# KiCad board demomatrix.kicad_pcb (continued)
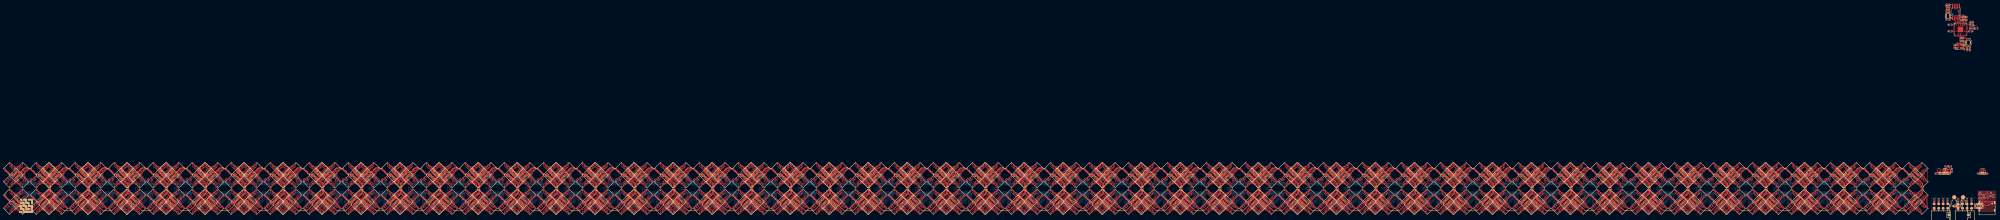
[diagram p0: board, top side]
## Library data of the parts (continued)
C317 = -: Datasheet: https://www.lcsc.com/datasheet/lcsc_datasheet_2304140030_Samsung-Electro-Mechanics-CL21A106KAYNNNE_C15850.pdf; LCSC: C15850; Manufacturer: Samsung Electro-Mechanics; Partnumber: CL21A106KAYNNNE; PARAM_capacitance: {"type": "Quantity_Interval_Disjoint", "data": {"intervals": {"type": "Numeric_Interval_Disjoint", "data": {"intervals": [{"type": "Numeric_Interval", "data": {"min": 8.999999985e-06, "max": 1.1000000015e-05}}]}}, "unit": "farad"}}; PARAM_max_voltage: {"type": "Quantity_Set_Discrete", "data": {"intervals": {"type": "Numeric_Interval_Disjoint", "data": {"intervals": [{"type": "Numeric_Interval", "data": {"min": 25.0, "max": 25.0}}]}}, "unit": "volt"}}; PARAM_temperature_coefficient: {"type": "EnumSet", "data": {"elements": [{"name": "X5R"}], "enum": {"name": "TemperatureCoefficient", "values": {"Y5V": 1, "Z5U": 2, "X7S": 3, "X5R": 4, "X6R": 5, "X7R": 6, "X8R": 7, "C0G": 8}}}}; atopile_address: clusters[35].decoupling_capacitors[1]; atopile_subaddresses: [elec/layout/cluster2x2/cluster2x2.kicad_pcb:decoupling_capacitors[1]]
C318 = -: Datasheet: https://www.lcsc.com/datasheet/lcsc_datasheet_2304140030_Samsung-Electro-Mechanics-CL21A106KAYNNNE_C15850.pdf; LCSC: C15850; Manufacturer: Samsung Electro-Mechanics; Partnumber: CL21A106KAYNNNE; PARAM_capacitance: {"type": "Quantity_Interval_Disjoint", "data": {"intervals": {"type": "Numeric_Interval_Disjoint", "data": {"intervals": [{"type": "Numeric_Interval", "data": {"min": 8.999999985e-06, "max": 1.1000000015e-05}}]}}, "unit": "farad"}}; PARAM_max_voltage: {"type": "Quantity_Set_Discrete", "data": {"intervals": {"type": "Numeric_Interval_Disjoint", "data": {"intervals": [{"type": "Numeric_Interval", "data": {"min": 25.0, "max": 25.0}}]}}, "unit": "volt"}}; PARAM_temperature_coefficient: {"type": "EnumSet", "data": {"elements": [{"name": "X5R"}], "enum": {"name": "TemperatureCoefficient", "values": {"Y5V": 1, "Z5U": 2, "X7S": 3, "X5R": 4, "X6R": 5, "X7R": 6, "X8R": 7, "C0G": 8}}}}; atopile_address: clusters[35].decoupling_capacitors[2]; atopile_subaddresses: [elec/layout/cluster2x2/cluster2x2.kicad_pcb:decoupling_capacitors[2]]
C319 = -: Datasheet: https://www.lcsc.com/datasheet/lcsc_datasheet_2304140030_Samsung-Electro-Mechanics-CL21A106KAYNNNE_C15850.pdf; LCSC: C15850; Manufacturer: Samsung Electro-Mechanics; Partnumber: CL21A106KAYNNNE; PARAM_capacitance: {"type": "Quantity_Interval_Disjoint", "data": {"intervals": {"type": "Numeric_Interval_Disjoint", "data": {"intervals": [{"type": "Numeric_Interval", "data": {"min": 8.999999985e-06, "max": 1.1000000015e-05}}]}}, "unit": "farad"}}; PARAM_max_voltage: {"type": "Quantity_Set_Discrete", "data": {"intervals": {"type": "Numeric_Interval_Disjoint", "data": {"intervals": [{"type": "Numeric_Interval", "data": {"min": 25.0, "max": 25.0}}]}}, "unit": "volt"}}; PARAM_temperature_coefficient: {"type": "EnumSet", "data": {"elements": [{"name": "X5R"}], "enum": {"name": "TemperatureCoefficient", "values": {"Y5V": 1, "Z5U": 2, "X7S": 3, "X5R": 4, "X6R": 5, "X7R": 6, "X8R": 7, "C0G": 8}}}}; atopile_address: clusters[35].decoupling_capacitors[3]; atopile_subaddresses: [elec/layout/cluster2x2/cluster2x2.kicad_pcb:decoupling_capacitors[3]]
C320 = -: Datasheet: https://www.lcsc.com/datasheet/lcsc_datasheet_2304140030_Samsung-Electro-Mechanics-CL21A106KAYNNNE_C15850.pdf; LCSC: C15850; Manufacturer: Samsung Electro-Mechanics; Partnumber: CL21A106KAYNNNE; PARAM_capacitance: {"type": "Quantity_Interval_Disjoint", "data": {"intervals": {"type": "Numeric_Interval_Disjoint", "data": {"intervals": [{"type": "Numeric_Interval", "data": {"min": 8.999999985e-06, "max": 1.1000000015e-05}}]}}, "unit": "farad"}}; PARAM_max_voltage: {"type": "Quantity_Set_Discrete", "data": {"intervals": {"type": "Numeric_Interval_Disjoint", "data": {"intervals": [{"type": "Numeric_Interval", "data": {"min": 25.0, "max": 25.0}}]}}, "unit": "volt"}}; PARAM_temperature_coefficient: {"type": "EnumSet", "data": {"elements": [{"name": "X5R"}], "enum": {"name": "TemperatureCoefficient", "values": {"Y5V": 1, "Z5U": 2, "X7S": 3, "X5R": 4, "X6R": 5, "X7R": 6, "X8R": 7, "C0G": 8}}}}; atopile_address: clusters[35].decoupling_capacitors[4]; atopile_subaddresses: [elec/layout/cluster2x2/cluster2x2.kicad_pcb:decoupling_capacitors[4]]
C321 = -: Datasheet: https://www.lcsc.com/datasheet/lcsc_datasheet_2304140030_Samsung-Electro-Mechanics-CL21A106KAYNNNE_C15850.pdf; LCSC: C15850; Manufacturer: Samsung Electro-Mechanics; Partnumber: CL21A106KAYNNNE; PARAM_capacitance: {"type": "Quantity_Interval_Disjoint", "data": {"intervals": {"type": "Numeric_Interval_Disjoint", "data": {"intervals": [{"type": "Numeric_Interval", "data": {"min": 8.999999985e-06, "max": 1.1000000015e-05}}]}}, "unit": "farad"}}; PARAM_max_voltage: {"type": "Quantity_Set_Discrete", "data": {"intervals": {"type": "Numeric_Interval_Disjoint", "data": {"intervals": [{"type": "Numeric_Interval", "data": {"min": 25.0, "max": 25.0}}]}}, "unit": "volt"}}; PARAM_temperature_coefficient: {"type": "EnumSet", "data": {"elements": [{"name": "X5R"}], "enum": {"name": "TemperatureCoefficient", "values": {"Y5V": 1, "Z5U": 2, "X7S": 3, "X5R": 4, "X6R": 5, "X7R": 6, "X8R": 7, "C0G": 8}}}}; atopile_address: clusters[35].decoupling_capacitors[5]; atopile_subaddresses: [elec/layout/cluster2x2/cluster2x2.kicad_pcb:decoupling_capacitors[5]]
C322 = -: Datasheet: https://www.lcsc.com/datasheet/lcsc_datasheet_2304140030_Samsung-Electro-Mechanics-CL21A106KAYNNNE_C15850.pdf; LCSC: C15850; Manufacturer: Samsung Electro-Mechanics; Partnumber: CL21A106KAYNNNE; PARAM_capacitance: {"type": "Quantity_Interval_Disjoint", "data": {"intervals": {"type": "Numeric_Interval_Disjoint", "data": {"intervals": [{"type": "Numeric_Interval", "data": {"min": 8.999999985e-06, "max": 1.1000000015e-05}}]}}, "unit": "farad"}}; PARAM_max_voltage: {"type": "Quantity_Set_Discrete", "data": {"intervals": {"type": "Numeric_Interval_Disjoint", "data": {"intervals": [{"type": "Numeric_Interval", "data": {"min": 25.0, "max": 25.0}}]}}, "unit": "volt"}}; PARAM_temperature_coefficient: {"type": "EnumSet", "data": {"elements": [{"name": "X5R"}], "enum": {"name": "TemperatureCoefficient", "values": {"Y5V": 1, "Z5U": 2, "X7S": 3, "X5R": 4, "X6R": 5, "X7R": 6, "X8R": 7, "C0G": 8}}}}; atopile_address: clusters[35].decoupling_capacitors[6]; atopile_subaddresses: [elec/layout/cluster2x2/cluster2x2.kicad_pcb:decoupling_capacitors[6]]
C323 = -: Datasheet: https://www.lcsc.com/datasheet/lcsc_datasheet_2304140030_Samsung-Electro-Mechanics-CL21A106KAYNNNE_C15850.pdf; LCSC: C15850; Manufacturer: Samsung Electro-Mechanics; Partnumber: CL21A106KAYNNNE; PARAM_capacitance: {"type": "Quantity_Interval_Disjoint", "data": {"intervals": {"type": "Numeric_Interval_Disjoint", "data": {"intervals": [{"type": "Numeric_Interval", "data": {"min": 8.999999985e-06, "max": 1.1000000015e-05}}]}}, "unit": "farad"}}; PARAM_max_voltage: {"type": "Quantity_Set_Discrete", "data": {"intervals": {"type": "Numeric_Interval_Disjoint", "data": {"intervals": [{"type": "Numeric_Interval", "data": {"min": 25.0, "max": 25.0}}]}}, "unit": "volt"}}; PARAM_temperature_coefficient: {"type": "EnumSet", "data": {"elements": [{"name": "X5R"}], "enum": {"name": "TemperatureCoefficient", "values": {"Y5V": 1, "Z5U": 2, "X7S": 3, "X5R": 4, "X6R": 5, "X7R": 6, "X8R": 7, "C0G": 8}}}}; atopile_address: clusters[35].decoupling_capacitors[7]; atopile_subaddresses: [elec/layout/cluster2x2/cluster2x2.kicad_pcb:decoupling_capacitors[7]]
C324 = -: Datasheet: https://www.lcsc.com/datasheet/lcsc_datasheet_2304140030_Samsung-Electro-Mechanics-CL05B104KO5NNNC_C1525.pdf; LCSC: C1525; Manufacturer: Samsung Electro-Mechanics; Partnumber: CL05B104KO5NNNC; PARAM_capacitance: {"type": "Quantity_Interval_Disjoint", "data": {"intervals": {"type": "Numeric_Interval_Disjoint", "data": {"intervals": [{"type": "Numeric_Interval", "data": {"min": 9e-08, "max": 1.1e-07}}]}}, "unit": "farad"}}; PARAM_max_voltage: {"type": "Quantity_Set_Discrete", "data": {"intervals": {"type": "Numeric_Interval_Disjoint", "data": {"intervals": [{"type": "Numeric_Interval", "data": {"min": 16.0, "max": 16.0}}]}}, "unit": "volt"}}; PARAM_temperature_coefficient: {"type": "EnumSet", "data": {"elements": [{"name": "X7R"}], "enum": {"name": "TemperatureCoefficient", "values": {"Y5V": 1, "Z5U": 2, "X7S": 3, "X5R": 4, "X6R": 5, "X7R": 6, "X8R": 7, "C0G": 8}}}}; atopile_address: clusters[35].driver.bypass_capacitor; atopile_subaddresses: [elec/layout/cluster2x2/cluster2x2.kicad_pcb:driver.bypass_capacitor, elec/src/macroblock-mbi5043/layouts/default/default.kicad_pcb:bypass_capacitor]
C325 = -: Datasheet: https://www.lcsc.com/datasheet/lcsc_datasheet_2304140030_Samsung-Electro-Mechanics-CL21A106KAYNNNE_C15850.pdf; LCSC: C15850; Manufacturer: Samsung Electro-Mechanics; Partnumber: CL21A106KAYNNNE; PARAM_capacitance: {"type": "Quantity_Interval_Disjoint", "data": {"intervals": {"type": "Numeric_Interval_Disjoint", "data": {"intervals": [{"type": "Numeric_Interval", "data": {"min": 8.999999985e-06, "max": 1.1000000015e-05}}]}}, "unit": "farad"}}; PARAM_max_voltage: {"type": "Quantity_Set_Discrete", "data": {"intervals": {"type": "Numeric_Interval_Disjoint", "data": {"intervals": [{"type": "Numeric_Interval", "data": {"min": 25.0, "max": 25.0}}]}}, "unit": "volt"}}; PARAM_temperature_coefficient: {"type": "EnumSet", "data": {"elements": [{"name": "X5R"}], "enum": {"name": "TemperatureCoefficient", "values": {"Y5V": 1, "Z5U": 2, "X7S": 3, "X5R": 4, "X6R": 5, "X7R": 6, "X8R": 7, "C0G": 8}}}}; atopile_address: clusters[36].decoupling_capacitors[0]; atopile_subaddresses: [elec/layout/cluster2x2/cluster2x2.kicad_pcb:decoupling_capacitors[0]]
C326 = -: Datasheet: https://www.lcsc.com/datasheet/lcsc_datasheet_2304140030_Samsung-Electro-Mechanics-CL21A106KAYNNNE_C15850.pdf; LCSC: C15850; Manufacturer: Samsung Electro-Mechanics; Partnumber: CL21A106KAYNNNE; PARAM_capacitance: {"type": "Quantity_Interval_Disjoint", "data": {"intervals": {"type": "Numeric_Interval_Disjoint", "data": {"intervals": [{"type": "Numeric_Interval", "data": {"min": 8.999999985e-06, "max": 1.1000000015e-05}}]}}, "unit": "farad"}}; PARAM_max_voltage: {"type": "Quantity_Set_Discrete", "data": {"intervals": {"type": "Numeric_Interval_Disjoint", "data": {"intervals": [{"type": "Numeric_Interval", "data": {"min": 25.0, "max": 25.0}}]}}, "unit": "volt"}}; PARAM_temperature_coefficient: {"type": "EnumSet", "data": {"elements": [{"name": "X5R"}], "enum": {"name": "TemperatureCoefficient", "values": {"Y5V": 1, "Z5U": 2, "X7S": 3, "X5R": 4, "X6R": 5, "X7R": 6, "X8R": 7, "C0G": 8}}}}; atopile_address: clusters[36].decoupling_capacitors[1]; atopile_subaddresses: [elec/layout/cluster2x2/cluster2x2.kicad_pcb:decoupling_capacitors[1]]
C327 = -: Datasheet: https://www.lcsc.com/datasheet/lcsc_datasheet_2304140030_Samsung-Electro-Mechanics-CL21A106KAYNNNE_C15850.pdf; LCSC: C15850; Manufacturer: Samsung Electro-Mechanics; Partnumber: CL21A106KAYNNNE; PARAM_capacitance: {"type": "Quantity_Interval_Disjoint", "data": {"intervals": {"type": "Numeric_Interval_Disjoint", "data": {"intervals": [{"type": "Numeric_Interval", "data": {"min": 8.999999985e-06, "max": 1.1000000015e-05}}]}}, "unit": "farad"}}; PARAM_max_voltage: {"type": "Quantity_Set_Discrete", "data": {"intervals": {"type": "Numeric_Interval_Disjoint", "data": {"intervals": [{"type": "Numeric_Interval", "data": {"min": 25.0, "max": 25.0}}]}}, "unit": "volt"}}; PARAM_temperature_coefficient: {"type": "EnumSet", "data": {"elements": [{"name": "X5R"}], "enum": {"name": "TemperatureCoefficient", "values": {"Y5V": 1, "Z5U": 2, "X7S": 3, "X5R": 4, "X6R": 5, "X7R": 6, "X8R": 7, "C0G": 8}}}}; atopile_address: clusters[36].decoupling_capacitors[2]; atopile_subaddresses: [elec/layout/cluster2x2/cluster2x2.kicad_pcb:decoupling_capacitors[2]]
C328 = -: Datasheet: https://www.lcsc.com/datasheet/lcsc_datasheet_2304140030_Samsung-Electro-Mechanics-CL21A106KAYNNNE_C15850.pdf; LCSC: C15850; Manufacturer: Samsung Electro-Mechanics; Partnumber: CL21A106KAYNNNE; PARAM_capacitance: {"type": "Quantity_Interval_Disjoint", "data": {"intervals": {"type": "Numeric_Interval_Disjoint", "data": {"intervals": [{"type": "Numeric_Interval", "data": {"min": 8.999999985e-06, "max": 1.1000000015e-05}}]}}, "unit": "farad"}}; PARAM_max_voltage: {"type": "Quantity_Set_Discrete", "data": {"intervals": {"type": "Numeric_Interval_Disjoint", "data": {"intervals": [{"type": "Numeric_Interval", "data": {"min": 25.0, "max": 25.0}}]}}, "unit": "volt"}}; PARAM_temperature_coefficient: {"type": "EnumSet", "data": {"elements": [{"name": "X5R"}], "enum": {"name": "TemperatureCoefficient", "values": {"Y5V": 1, "Z5U": 2, "X7S": 3, "X5R": 4, "X6R": 5, "X7R": 6, "X8R": 7, "C0G": 8}}}}; atopile_address: clusters[36].decoupling_capacitors[3]; atopile_subaddresses: [elec/layout/cluster2x2/cluster2x2.kicad_pcb:decoupling_capacitors[3]]
C329 = -: Datasheet: https://www.lcsc.com/datasheet/lcsc_datasheet_2304140030_Samsung-Electro-Mechanics-CL21A106KAYNNNE_C15850.pdf; LCSC: C15850; Manufacturer: Samsung Electro-Mechanics; Partnumber: CL21A106KAYNNNE; PARAM_capacitance: {"type": "Quantity_Interval_Disjoint", "data": {"intervals": {"type": "Numeric_Interval_Disjoint", "data": {"intervals": [{"type": "Numeric_Interval", "data": {"min": 8.999999985e-06, "max": 1.1000000015e-05}}]}}, "unit": "farad"}}; PARAM_max_voltage: {"type": "Quantity_Set_Discrete", "data": {"intervals": {"type": "Numeric_Interval_Disjoint", "data": {"intervals": [{"type": "Numeric_Interval", "data": {"min": 25.0, "max": 25.0}}]}}, "unit": "volt"}}; PARAM_temperature_coefficient: {"type": "EnumSet", "data": {"elements": [{"name": "X5R"}], "enum": {"name": "TemperatureCoefficient", "values": {"Y5V": 1, "Z5U": 2, "X7S": 3, "X5R": 4, "X6R": 5, "X7R": 6, "X8R": 7, "C0G": 8}}}}; atopile_address: clusters[36].decoupling_capacitors[4]; atopile_subaddresses: [elec/layout/cluster2x2/cluster2x2.kicad_pcb:decoupling_capacitors[4]]
C330 = -: Datasheet: https://www.lcsc.com/datasheet/lcsc_datasheet_2304140030_Samsung-Electro-Mechanics-CL21A106KAYNNNE_C15850.pdf; LCSC: C15850; Manufacturer: Samsung Electro-Mechanics; Partnumber: CL21A106KAYNNNE; PARAM_capacitance: {"type": "Quantity_Interval_Disjoint", "data": {"intervals": {"type": "Numeric_Interval_Disjoint", "data": {"intervals": [{"type": "Numeric_Interval", "data": {"min": 8.999999985e-06, "max": 1.1000000015e-05}}]}}, "unit": "farad"}}; PARAM_max_voltage: {"type": "Quantity_Set_Discrete", "data": {"intervals": {"type": "Numeric_Interval_Disjoint", "data": {"intervals": [{"type": "Numeric_Interval", "data": {"min": 25.0, "max": 25.0}}]}}, "unit": "volt"}}; PARAM_temperature_coefficient: {"type": "EnumSet", "data": {"elements": [{"name": "X5R"}], "enum": {"name": "TemperatureCoefficient", "values": {"Y5V": 1, "Z5U": 2, "X7S": 3, "X5R": 4, "X6R": 5, "X7R": 6, "X8R": 7, "C0G": 8}}}}; atopile_address: clusters[36].decoupling_capacitors[5]; atopile_subaddresses: [elec/layout/cluster2x2/cluster2x2.kicad_pcb:decoupling_capacitors[5]]
C331 = -: Datasheet: https://www.lcsc.com/datasheet/lcsc_datasheet_2304140030_Samsung-Electro-Mechanics-CL21A106KAYNNNE_C15850.pdf; LCSC: C15850; Manufacturer: Samsung Electro-Mechanics; Partnumber: CL21A106KAYNNNE; PARAM_capacitance: {"type": "Quantity_Interval_Disjoint", "data": {"intervals": {"type": "Numeric_Interval_Disjoint", "data": {"intervals": [{"type": "Numeric_Interval", "data": {"min": 8.999999985e-06, "max": 1.1000000015e-05}}]}}, "unit": "farad"}}; PARAM_max_voltage: {"type": "Quantity_Set_Discrete", "data": {"intervals": {"type": "Numeric_Interval_Disjoint", "data": {"intervals": [{"type": "Numeric_Interval", "data": {"min": 25.0, "max": 25.0}}]}}, "unit": "volt"}}; PARAM_temperature_coefficient: {"type": "EnumSet", "data": {"elements": [{"name": "X5R"}], "enum": {"name": "TemperatureCoefficient", "values": {"Y5V": 1, "Z5U": 2, "X7S": 3, "X5R": 4, "X6R": 5, "X7R": 6, "X8R": 7, "C0G": 8}}}}; atopile_address: clusters[36].decoupling_capacitors[6]; atopile_subaddresses: [elec/layout/cluster2x2/cluster2x2.kicad_pcb:decoupling_capacitors[6]]
C332 = -: Datasheet: https://www.lcsc.com/datasheet/lcsc_datasheet_2304140030_Samsung-Electro-Mechanics-CL21A106KAYNNNE_C15850.pdf; LCSC: C15850; Manufacturer: Samsung Electro-Mechanics; Partnumber: CL21A106KAYNNNE; PARAM_capacitance: {"type": "Quantity_Interval_Disjoint", "data": {"intervals": {"type": "Numeric_Interval_Disjoint", "data": {"intervals": [{"type": "Numeric_Interval", "data": {"min": 8.999999985e-06, "max": 1.1000000015e-05}}]}}, "unit": "farad"}}; PARAM_max_voltage: {"type": "Quantity_Set_Discrete", "data": {"intervals": {"type": "Numeric_Interval_Disjoint", "data": {"intervals": [{"type": "Numeric_Interval", "data": {"min": 25.0, "max": 25.0}}]}}, "unit": "volt"}}; PARAM_temperature_coefficient: {"type": "EnumSet", "data": {"elements": [{"name": "X5R"}], "enum": {"name": "TemperatureCoefficient", "values": {"Y5V": 1, "Z5U": 2, "X7S": 3, "X5R": 4, "X6R": 5, "X7R": 6, "X8R": 7, "C0G": 8}}}}; atopile_address: clusters[36].decoupling_capacitors[7]; atopile_subaddresses: [elec/layout/cluster2x2/cluster2x2.kicad_pcb:decoupling_capacitors[7]]
C333 = -: Datasheet: https://www.lcsc.com/datasheet/lcsc_datasheet_2304140030_Samsung-Electro-Mechanics-CL05B104KO5NNNC_C1525.pdf; LCSC: C1525; Manufacturer: Samsung Electro-Mechanics; Partnumber: CL05B104KO5NNNC; PARAM_capacitance: {"type": "Quantity_Interval_Disjoint", "data": {"intervals": {"type": "Numeric_Interval_Disjoint", "data": {"intervals": [{"type": "Numeric_Interval", "data": {"min": 9e-08, "max": 1.1e-07}}]}}, "unit": "farad"}}; PARAM_max_voltage: {"type": "Quantity_Set_Discrete", "data": {"intervals": {"type": "Numeric_Interval_Disjoint", "data": {"intervals": [{"type": "Numeric_Interval", "data": {"min": 16.0, "max": 16.0}}]}}, "unit": "volt"}}; PARAM_temperature_coefficient: {"type": "EnumSet", "data": {"elements": [{"name": "X7R"}], "enum": {"name": "TemperatureCoefficient", "values": {"Y5V": 1, "Z5U": 2, "X7S": 3, "X5R": 4, "X6R": 5, "X7R": 6, "X8R": 7, "C0G": 8}}}}; atopile_address: clusters[36].driver.bypass_capacitor; atopile_subaddresses: [elec/layout/cluster2x2/cluster2x2.kicad_pcb:driver.bypass_capacitor, elec/src/macroblock-mbi5043/layouts/default/default.kicad_pcb:bypass_capacitor]
C334 = -: Datasheet: https://www.lcsc.com/datasheet/lcsc_datasheet_2304140030_Samsung-Electro-Mechanics-CL21A106KAYNNNE_C15850.pdf; LCSC: C15850; Manufacturer: Samsung Electro-Mechanics; Partnumber: CL21A106KAYNNNE; PARAM_capacitance: {"type": "Quantity_Interval_Disjoint", "data": {"intervals": {"type": "Numeric_Interval_Disjoint", "data": {"intervals": [{"type": "Numeric_Interval", "data": {"min": 8.999999985e-06, "max": 1.1000000015e-05}}]}}, "unit": "farad"}}; PARAM_max_voltage: {"type": "Quantity_Set_Discrete", "data": {"intervals": {"type": "Numeric_Interval_Disjoint", "data": {"intervals": [{"type": "Numeric_Interval", "data": {"min": 25.0, "max": 25.0}}]}}, "unit": "volt"}}; PARAM_temperature_coefficient: {"type": "EnumSet", "data": {"elements": [{"name": "X5R"}], "enum": {"name": "TemperatureCoefficient", "values": {"Y5V": 1, "Z5U": 2, "X7S": 3, "X5R": 4, "X6R": 5, "X7R": 6, "X8R": 7, "C0G": 8}}}}; atopile_address: clusters[37].decoupling_capacitors[0]; atopile_subaddresses: [elec/layout/cluster2x2/cluster2x2.kicad_pcb:decoupling_capacitors[0]]
C335 = -: Datasheet: https://www.lcsc.com/datasheet/lcsc_datasheet_2304140030_Samsung-Electro-Mechanics-CL21A106KAYNNNE_C15850.pdf; LCSC: C15850; Manufacturer: Samsung Electro-Mechanics; Partnumber: CL21A106KAYNNNE; PARAM_capacitance: {"type": "Quantity_Interval_Disjoint", "data": {"intervals": {"type": "Numeric_Interval_Disjoint", "data": {"intervals": [{"type": "Numeric_Interval", "data": {"min": 8.999999985e-06, "max": 1.1000000015e-05}}]}}, "unit": "farad"}}; PARAM_max_voltage: {"type": "Quantity_Set_Discrete", "data": {"intervals": {"type": "Numeric_Interval_Disjoint", "data": {"intervals": [{"type": "Numeric_Interval", "data": {"min": 25.0, "max": 25.0}}]}}, "unit": "volt"}}; PARAM_temperature_coefficient: {"type": "EnumSet", "data": {"elements": [{"name": "X5R"}], "enum": {"name": "TemperatureCoefficient", "values": {"Y5V": 1, "Z5U": 2, "X7S": 3, "X5R": 4, "X6R": 5, "X7R": 6, "X8R": 7, "C0G": 8}}}}; atopile_address: clusters[37].decoupling_capacitors[1]; atopile_subaddresses: [elec/layout/cluster2x2/cluster2x2.kicad_pcb:decoupling_capacitors[1]]
C336 = -: Datasheet: https://www.lcsc.com/datasheet/lcsc_datasheet_2304140030_Samsung-Electro-Mechanics-CL21A106KAYNNNE_C15850.pdf; LCSC: C15850; Manufacturer: Samsung Electro-Mechanics; Partnumber: CL21A106KAYNNNE; PARAM_capacitance: {"type": "Quantity_Interval_Disjoint", "data": {"intervals": {"type": "Numeric_Interval_Disjoint", "data": {"intervals": [{"type": "Numeric_Interval", "data": {"min": 8.999999985e-06, "max": 1.1000000015e-05}}]}}, "unit": "farad"}}; PARAM_max_voltage: {"type": "Quantity_Set_Discrete", "data": {"intervals": {"type": "Numeric_Interval_Disjoint", "data": {"intervals": [{"type": "Numeric_Interval", "data": {"min": 25.0, "max": 25.0}}]}}, "unit": "volt"}}; PARAM_temperature_coefficient: {"type": "EnumSet", "data": {"elements": [{"name": "X5R"}], "enum": {"name": "TemperatureCoefficient", "values": {"Y5V": 1, "Z5U": 2, "X7S": 3, "X5R": 4, "X6R": 5, "X7R": 6, "X8R": 7, "C0G": 8}}}}; atopile_address: clusters[37].decoupling_capacitors[2]; atopile_subaddresses: [elec/layout/cluster2x2/cluster2x2.kicad_pcb:decoupling_capacitors[2]]
C337 = -: Datasheet: https://www.lcsc.com/datasheet/lcsc_datasheet_2304140030_Samsung-Electro-Mechanics-CL21A106KAYNNNE_C15850.pdf; LCSC: C15850; Manufacturer: Samsung Electro-Mechanics; Partnumber: CL21A106KAYNNNE; PARAM_capacitance: {"type": "Quantity_Interval_Disjoint", "data": {"intervals": {"type": "Numeric_Interval_Disjoint", "data": {"intervals": [{"type": "Numeric_Interval", "data": {"min": 8.999999985e-06, "max": 1.1000000015e-05}}]}}, "unit": "farad"}}; PARAM_max_voltage: {"type": "Quantity_Set_Discrete", "data": {"intervals": {"type": "Numeric_Interval_Disjoint", "data": {"intervals": [{"type": "Numeric_Interval", "data": {"min": 25.0, "max": 25.0}}]}}, "unit": "volt"}}; PARAM_temperature_coefficient: {"type": "EnumSet", "data": {"elements": [{"name": "X5R"}], "enum": {"name": "TemperatureCoefficient", "values": {"Y5V": 1, "Z5U": 2, "X7S": 3, "X5R": 4, "X6R": 5, "X7R": 6, "X8R": 7, "C0G": 8}}}}; atopile_address: clusters[37].decoupling_capacitors[3]; atopile_subaddresses: [elec/layout/cluster2x2/cluster2x2.kicad_pcb:decoupling_capacitors[3]]
C338 = -: Datasheet: https://www.lcsc.com/datasheet/lcsc_datasheet_2304140030_Samsung-Electro-Mechanics-CL21A106KAYNNNE_C15850.pdf; LCSC: C15850; Manufacturer: Samsung Electro-Mechanics; Partnumber: CL21A106KAYNNNE; PARAM_capacitance: {"type": "Quantity_Interval_Disjoint", "data": {"intervals": {"type": "Numeric_Interval_Disjoint", "data": {"intervals": [{"type": "Numeric_Interval", "data": {"min": 8.999999985e-06, "max": 1.1000000015e-05}}]}}, "unit": "farad"}}; PARAM_max_voltage: {"type": "Quantity_Set_Discrete", "data": {"intervals": {"type": "Numeric_Interval_Disjoint", "data": {"intervals": [{"type": "Numeric_Interval", "data": {"min": 25.0, "max": 25.0}}]}}, "unit": "volt"}}; PARAM_temperature_coefficient: {"type": "EnumSet", "data": {"elements": [{"name": "X5R"}], "enum": {"name": "TemperatureCoefficient", "values": {"Y5V": 1, "Z5U": 2, "X7S": 3, "X5R": 4, "X6R": 5, "X7R": 6, "X8R": 7, "C0G": 8}}}}; atopile_address: clusters[37].decoupling_capacitors[4]; atopile_subaddresses: [elec/layout/cluster2x2/cluster2x2.kicad_pcb:decoupling_capacitors[4]]
C339 = -: Datasheet: https://www.lcsc.com/datasheet/lcsc_datasheet_2304140030_Samsung-Electro-Mechanics-CL21A106KAYNNNE_C15850.pdf; LCSC: C15850; Manufacturer: Samsung Electro-Mechanics; Partnumber: CL21A106KAYNNNE; PARAM_capacitance: {"type": "Quantity_Interval_Disjoint", "data": {"intervals": {"type": "Numeric_Interval_Disjoint", "data": {"intervals": [{"type": "Numeric_Interval", "data": {"min": 8.999999985e-06, "max": 1.1000000015e-05}}]}}, "unit": "farad"}}; PARAM_max_voltage: {"type": "Quantity_Set_Discrete", "data": {"intervals": {"type": "Numeric_Interval_Disjoint", "data": {"intervals": [{"type": "Numeric_Interval", "data": {"min": 25.0, "max": 25.0}}]}}, "unit": "volt"}}; PARAM_temperature_coefficient: {"type": "EnumSet", "data": {"elements": [{"name": "X5R"}], "enum": {"name": "TemperatureCoefficient", "values": {"Y5V": 1, "Z5U": 2, "X7S": 3, "X5R": 4, "X6R": 5, "X7R": 6, "X8R": 7, "C0G": 8}}}}; atopile_address: clusters[37].decoupling_capacitors[5]; atopile_subaddresses: [elec/layout/cluster2x2/cluster2x2.kicad_pcb:decoupling_capacitors[5]]
C340 = -: Datasheet: https://www.lcsc.com/datasheet/lcsc_datasheet_2304140030_Samsung-Electro-Mechanics-CL21A106KAYNNNE_C15850.pdf; LCSC: C15850; Manufacturer: Samsung Electro-Mechanics; Partnumber: CL21A106KAYNNNE; PARAM_capacitance: {"type": "Quantity_Interval_Disjoint", "data": {"intervals": {"type": "Numeric_Interval_Disjoint", "data": {"intervals": [{"type": "Numeric_Interval", "data": {"min": 8.999999985e-06, "max": 1.1000000015e-05}}]}}, "unit": "farad"}}; PARAM_max_voltage: {"type": "Quantity_Set_Discrete", "data": {"intervals": {"type": "Numeric_Interval_Disjoint", "data": {"intervals": [{"type": "Numeric_Interval", "data": {"min": 25.0, "max": 25.0}}]}}, "unit": "volt"}}; PARAM_temperature_coefficient: {"type": "EnumSet", "data": {"elements": [{"name": "X5R"}], "enum": {"name": "TemperatureCoefficient", "values": {"Y5V": 1, "Z5U": 2, "X7S": 3, "X5R": 4, "X6R": 5, "X7R": 6, "X8R": 7, "C0G": 8}}}}; atopile_address: clusters[37].decoupling_capacitors[6]; atopile_subaddresses: [elec/layout/cluster2x2/cluster2x2.kicad_pcb:decoupling_capacitors[6]]
C341 = -: Datasheet: https://www.lcsc.com/datasheet/lcsc_datasheet_2304140030_Samsung-Electro-Mechanics-CL21A106KAYNNNE_C15850.pdf; LCSC: C15850; Manufacturer: Samsung Electro-Mechanics; Partnumber: CL21A106KAYNNNE; PARAM_capacitance: {"type": "Quantity_Interval_Disjoint", "data": {"intervals": {"type": "Numeric_Interval_Disjoint", "data": {"intervals": [{"type": "Numeric_Interval", "data": {"min": 8.999999985e-06, "max": 1.1000000015e-05}}]}}, "unit": "farad"}}; PARAM_max_voltage: {"type": "Quantity_Set_Discrete", "data": {"intervals": {"type": "Numeric_Interval_Disjoint", "data": {"intervals": [{"type": "Numeric_Interval", "data": {"min": 25.0, "max": 25.0}}]}}, "unit": "volt"}}; PARAM_temperature_coefficient: {"type": "EnumSet", "data": {"elements": [{"name": "X5R"}], "enum": {"name": "TemperatureCoefficient", "values": {"Y5V": 1, "Z5U": 2, "X7S": 3, "X5R": 4, "X6R": 5, "X7R": 6, "X8R": 7, "C0G": 8}}}}; atopile_address: clusters[37].decoupling_capacitors[7]; atopile_subaddresses: [elec/layout/cluster2x2/cluster2x2.kicad_pcb:decoupling_capacitors[7]]
C342 = -: Datasheet: https://www.lcsc.com/datasheet/lcsc_datasheet_2304140030_Samsung-Electro-Mechanics-CL05B104KO5NNNC_C1525.pdf; LCSC: C1525; Manufacturer: Samsung Electro-Mechanics; Partnumber: CL05B104KO5NNNC; PARAM_capacitance: {"type": "Quantity_Interval_Disjoint", "data": {"intervals": {"type": "Numeric_Interval_Disjoint", "data": {"intervals": [{"type": "Numeric_Interval", "data": {"min": 9e-08, "max": 1.1e-07}}]}}, "unit": "farad"}}; PARAM_max_voltage: {"type": "Quantity_Set_Discrete", "data": {"intervals": {"type": "Numeric_Interval_Disjoint", "data": {"intervals": [{"type": "Numeric_Interval", "data": {"min": 16.0, "max": 16.0}}]}}, "unit": "volt"}}; PARAM_temperature_coefficient: {"type": "EnumSet", "data": {"elements": [{"name": "X7R"}], "enum": {"name": "TemperatureCoefficient", "values": {"Y5V": 1, "Z5U": 2, "X7S": 3, "X5R": 4, "X6R": 5, "X7R": 6, "X8R": 7, "C0G": 8}}}}; atopile_address: clusters[37].driver.bypass_capacitor; atopile_subaddresses: [elec/layout/cluster2x2/cluster2x2.kicad_pcb:driver.bypass_capacitor, elec/src/macroblock-mbi5043/layouts/default/default.kicad_pcb:bypass_capacitor]
C343 = -: Datasheet: https://www.lcsc.com/datasheet/lcsc_datasheet_2304140030_Samsung-Electro-Mechanics-CL21A106KAYNNNE_C15850.pdf; LCSC: C15850; Manufacturer: Samsung Electro-Mechanics; Partnumber: CL21A106KAYNNNE; PARAM_capacitance: {"type": "Quantity_Interval_Disjoint", "data": {"intervals": {"type": "Numeric_Interval_Disjoint", "data": {"intervals": [{"type": "Numeric_Interval", "data": {"min": 8.999999985e-06, "max": 1.1000000015e-05}}]}}, "unit": "farad"}}; PARAM_max_voltage: {"type": "Quantity_Set_Discrete", "data": {"intervals": {"type": "Numeric_Interval_Disjoint", "data": {"intervals": [{"type": "Numeric_Interval", "data": {"min": 25.0, "max": 25.0}}]}}, "unit": "volt"}}; PARAM_temperature_coefficient: {"type": "EnumSet", "data": {"elements": [{"name": "X5R"}], "enum": {"name": "TemperatureCoefficient", "values": {"Y5V": 1, "Z5U": 2, "X7S": 3, "X5R": 4, "X6R": 5, "X7R": 6, "X8R": 7, "C0G": 8}}}}; atopile_address: clusters[38].decoupling_capacitors[0]; atopile_subaddresses: [elec/layout/cluster2x2/cluster2x2.kicad_pcb:decoupling_capacitors[0]]
C344 = -: Datasheet: https://www.lcsc.com/datasheet/lcsc_datasheet_2304140030_Samsung-Electro-Mechanics-CL21A106KAYNNNE_C15850.pdf; LCSC: C15850; Manufacturer: Samsung Electro-Mechanics; Partnumber: CL21A106KAYNNNE; PARAM_capacitance: {"type": "Quantity_Interval_Disjoint", "data": {"intervals": {"type": "Numeric_Interval_Disjoint", "data": {"intervals": [{"type": "Numeric_Interval", "data": {"min": 8.999999985e-06, "max": 1.1000000015e-05}}]}}, "unit": "farad"}}; PARAM_max_voltage: {"type": "Quantity_Set_Discrete", "data": {"intervals": {"type": "Numeric_Interval_Disjoint", "data": {"intervals": [{"type": "Numeric_Interval", "data": {"min": 25.0, "max": 25.0}}]}}, "unit": "volt"}}; PARAM_temperature_coefficient: {"type": "EnumSet", "data": {"elements": [{"name": "X5R"}], "enum": {"name": "TemperatureCoefficient", "values": {"Y5V": 1, "Z5U": 2, "X7S": 3, "X5R": 4, "X6R": 5, "X7R": 6, "X8R": 7, "C0G": 8}}}}; atopile_address: clusters[38].decoupling_capacitors[1]; atopile_subaddresses: [elec/layout/cluster2x2/cluster2x2.kicad_pcb:decoupling_capacitors[1]]
C345 = -: Datasheet: https://www.lcsc.com/datasheet/lcsc_datasheet_2304140030_Samsung-Electro-Mechanics-CL21A106KAYNNNE_C15850.pdf; LCSC: C15850; Manufacturer: Samsung Electro-Mechanics; Partnumber: CL21A106KAYNNNE; PARAM_capacitance: {"type": "Quantity_Interval_Disjoint", "data": {"intervals": {"type": "Numeric_Interval_Disjoint", "data": {"intervals": [{"type": "Numeric_Interval", "data": {"min": 8.999999985e-06, "max": 1.1000000015e-05}}]}}, "unit": "farad"}}; PARAM_max_voltage: {"type": "Quantity_Set_Discrete", "data": {"intervals": {"type": "Numeric_Interval_Disjoint", "data": {"intervals": [{"type": "Numeric_Interval", "data": {"min": 25.0, "max": 25.0}}]}}, "unit": "volt"}}; PARAM_temperature_coefficient: {"type": "EnumSet", "data": {"elements": [{"name": "X5R"}], "enum": {"name": "TemperatureCoefficient", "values": {"Y5V": 1, "Z5U": 2, "X7S": 3, "X5R": 4, "X6R": 5, "X7R": 6, "X8R": 7, "C0G": 8}}}}; atopile_address: clusters[38].decoupling_capacitors[2]; atopile_subaddresses: [elec/layout/cluster2x2/cluster2x2.kicad_pcb:decoupling_capacitors[2]]
C346 = -: Datasheet: https://www.lcsc.com/datasheet/lcsc_datasheet_2304140030_Samsung-Electro-Mechanics-CL21A106KAYNNNE_C15850.pdf; LCSC: C15850; Manufacturer: Samsung Electro-Mechanics; Partnumber: CL21A106KAYNNNE; PARAM_capacitance: {"type": "Quantity_Interval_Disjoint", "data": {"intervals": {"type": "Numeric_Interval_Disjoint", "data": {"intervals": [{"type": "Numeric_Interval", "data": {"min": 8.999999985e-06, "max": 1.1000000015e-05}}]}}, "unit": "farad"}}; PARAM_max_voltage: {"type": "Quantity_Set_Discrete", "data": {"intervals": {"type": "Numeric_Interval_Disjoint", "data": {"intervals": [{"type": "Numeric_Interval", "data": {"min": 25.0, "max": 25.0}}]}}, "unit": "volt"}}; PARAM_temperature_coefficient: {"type": "EnumSet", "data": {"elements": [{"name": "X5R"}], "enum": {"name": "TemperatureCoefficient", "values": {"Y5V": 1, "Z5U": 2, "X7S": 3, "X5R": 4, "X6R": 5, "X7R": 6, "X8R": 7, "C0G": 8}}}}; atopile_address: clusters[38].decoupling_capacitors[3]; atopile_subaddresses: [elec/layout/cluster2x2/cluster2x2.kicad_pcb:decoupling_capacitors[3]]
C347 = -: Datasheet: https://www.lcsc.com/datasheet/lcsc_datasheet_2304140030_Samsung-Electro-Mechanics-CL21A106KAYNNNE_C15850.pdf; LCSC: C15850; Manufacturer: Samsung Electro-Mechanics; Partnumber: CL21A106KAYNNNE; PARAM_capacitance: {"type": "Quantity_Interval_Disjoint", "data": {"intervals": {"type": "Numeric_Interval_Disjoint", "data": {"intervals": [{"type": "Numeric_Interval", "data": {"min": 8.999999985e-06, "max": 1.1000000015e-05}}]}}, "unit": "farad"}}; PARAM_max_voltage: {"type": "Quantity_Set_Discrete", "data": {"intervals": {"type": "Numeric_Interval_Disjoint", "data": {"intervals": [{"type": "Numeric_Interval", "data": {"min": 25.0, "max": 25.0}}]}}, "unit": "volt"}}; PARAM_temperature_coefficient: {"type": "EnumSet", "data": {"elements": [{"name": "X5R"}], "enum": {"name": "TemperatureCoefficient", "values": {"Y5V": 1, "Z5U": 2, "X7S": 3, "X5R": 4, "X6R": 5, "X7R": 6, "X8R": 7, "C0G": 8}}}}; atopile_address: clusters[38].decoupling_capacitors[4]; atopile_subaddresses: [elec/layout/cluster2x2/cluster2x2.kicad_pcb:decoupling_capacitors[4]]
C348 = -: Datasheet: https://www.lcsc.com/datasheet/lcsc_datasheet_2304140030_Samsung-Electro-Mechanics-CL21A106KAYNNNE_C15850.pdf; LCSC: C15850; Manufacturer: Samsung Electro-Mechanics; Partnumber: CL21A106KAYNNNE; PARAM_capacitance: {"type": "Quantity_Interval_Disjoint", "data": {"intervals": {"type": "Numeric_Interval_Disjoint", "data": {"intervals": [{"type": "Numeric_Interval", "data": {"min": 8.999999985e-06, "max": 1.1000000015e-05}}]}}, "unit": "farad"}}; PARAM_max_voltage: {"type": "Quantity_Set_Discrete", "data": {"intervals": {"type": "Numeric_Interval_Disjoint", "data": {"intervals": [{"type": "Numeric_Interval", "data": {"min": 25.0, "max": 25.0}}]}}, "unit": "volt"}}; PARAM_temperature_coefficient: {"type": "EnumSet", "data": {"elements": [{"name": "X5R"}], "enum": {"name": "TemperatureCoefficient", "values": {"Y5V": 1, "Z5U": 2, "X7S": 3, "X5R": 4, "X6R": 5, "X7R": 6, "X8R": 7, "C0G": 8}}}}; atopile_address: clusters[38].decoupling_capacitors[5]; atopile_subaddresses: [elec/layout/cluster2x2/cluster2x2.kicad_pcb:decoupling_capacitors[5]]
C349 = -: Datasheet: https://www.lcsc.com/datasheet/lcsc_datasheet_2304140030_Samsung-Electro-Mechanics-CL21A106KAYNNNE_C15850.pdf; LCSC: C15850; Manufacturer: Samsung Electro-Mechanics; Partnumber: CL21A106KAYNNNE; PARAM_capacitance: {"type": "Quantity_Interval_Disjoint", "data": {"intervals": {"type": "Numeric_Interval_Disjoint", "data": {"intervals": [{"type": "Numeric_Interval", "data": {"min": 8.999999985e-06, "max": 1.1000000015e-05}}]}}, "unit": "farad"}}; PARAM_max_voltage: {"type": "Quantity_Set_Discrete", "data": {"intervals": {"type": "Numeric_Interval_Disjoint", "data": {"intervals": [{"type": "Numeric_Interval", "data": {"min": 25.0, "max": 25.0}}]}}, "unit": "volt"}}; PARAM_temperature_coefficient: {"type": "EnumSet", "data": {"elements": [{"name": "X5R"}], "enum": {"name": "TemperatureCoefficient", "values": {"Y5V": 1, "Z5U": 2, "X7S": 3, "X5R": 4, "X6R": 5, "X7R": 6, "X8R": 7, "C0G": 8}}}}; atopile_address: clusters[38].decoupling_capacitors[6]; atopile_subaddresses: [elec/layout/cluster2x2/cluster2x2.kicad_pcb:decoupling_capacitors[6]]
C350 = -: Datasheet: https://www.lcsc.com/datasheet/lcsc_datasheet_2304140030_Samsung-Electro-Mechanics-CL21A106KAYNNNE_C15850.pdf; LCSC: C15850; Manufacturer: Samsung Electro-Mechanics; Partnumber: CL21A106KAYNNNE; PARAM_capacitance: {"type": "Quantity_Interval_Disjoint", "data": {"intervals": {"type": "Numeric_Interval_Disjoint", "data": {"intervals": [{"type": "Numeric_Interval", "data": {"min": 8.999999985e-06, "max": 1.1000000015e-05}}]}}, "unit": "farad"}}; PARAM_max_voltage: {"type": "Quantity_Set_Discrete", "data": {"intervals": {"type": "Numeric_Interval_Disjoint", "data": {"intervals": [{"type": "Numeric_Interval", "data": {"min": 25.0, "max": 25.0}}]}}, "unit": "volt"}}; PARAM_temperature_coefficient: {"type": "EnumSet", "data": {"elements": [{"name": "X5R"}], "enum": {"name": "TemperatureCoefficient", "values": {"Y5V": 1, "Z5U": 2, "X7S": 3, "X5R": 4, "X6R": 5, "X7R": 6, "X8R": 7, "C0G": 8}}}}; atopile_address: clusters[38].decoupling_capacitors[7]; atopile_subaddresses: [elec/layout/cluster2x2/cluster2x2.kicad_pcb:decoupling_capacitors[7]]
C351 = -: Datasheet: https://www.lcsc.com/datasheet/lcsc_datasheet_2304140030_Samsung-Electro-Mechanics-CL05B104KO5NNNC_C1525.pdf; LCSC: C1525; Manufacturer: Samsung Electro-Mechanics; Partnumber: CL05B104KO5NNNC; PARAM_capacitance: {"type": "Quantity_Interval_Disjoint", "data": {"intervals": {"type": "Numeric_Interval_Disjoint", "data": {"intervals": [{"type": "Numeric_Interval", "data": {"min": 9e-08, "max": 1.1e-07}}]}}, "unit": "farad"}}; PARAM_max_voltage: {"type": "Quantity_Set_Discrete", "data": {"intervals": {"type": "Numeric_Interval_Disjoint", "data": {"intervals": [{"type": "Numeric_Interval", "data": {"min": 16.0, "max": 16.0}}]}}, "unit": "volt"}}; PARAM_temperature_coefficient: {"type": "EnumSet", "data": {"elements": [{"name": "X7R"}], "enum": {"name": "TemperatureCoefficient", "values": {"Y5V": 1, "Z5U": 2, "X7S": 3, "X5R": 4, "X6R": 5, "X7R": 6, "X8R": 7, "C0G": 8}}}}; atopile_address: clusters[38].driver.bypass_capacitor; atopile_subaddresses: [elec/layout/cluster2x2/cluster2x2.kicad_pcb:driver.bypass_capacitor, elec/src/macroblock-mbi5043/layouts/default/default.kicad_pcb:bypass_capacitor]
C352 = -: Datasheet: https://www.lcsc.com/datasheet/lcsc_datasheet_2304140030_Samsung-Electro-Mechanics-CL21A106KAYNNNE_C15850.pdf; LCSC: C15850; Manufacturer: Samsung Electro-Mechanics; Partnumber: CL21A106KAYNNNE; PARAM_capacitance: {"type": "Quantity_Interval_Disjoint", "data": {"intervals": {"type": "Numeric_Interval_Disjoint", "data": {"intervals": [{"type": "Numeric_Interval", "data": {"min": 8.999999985e-06, "max": 1.1000000015e-05}}]}}, "unit": "farad"}}; PARAM_max_voltage: {"type": "Quantity_Set_Discrete", "data": {"intervals": {"type": "Numeric_Interval_Disjoint", "data": {"intervals": [{"type": "Numeric_Interval", "data": {"min": 25.0, "max": 25.0}}]}}, "unit": "volt"}}; PARAM_temperature_coefficient: {"type": "EnumSet", "data": {"elements": [{"name": "X5R"}], "enum": {"name": "TemperatureCoefficient", "values": {"Y5V": 1, "Z5U": 2, "X7S": 3, "X5R": 4, "X6R": 5, "X7R": 6, "X8R": 7, "C0G": 8}}}}; atopile_address: clusters[39].decoupling_capacitors[0]; atopile_subaddresses: [elec/layout/cluster2x2/cluster2x2.kicad_pcb:decoupling_capacitors[0]]
C353 = -: Datasheet: https://www.lcsc.com/datasheet/lcsc_datasheet_2304140030_Samsung-Electro-Mechanics-CL21A106KAYNNNE_C15850.pdf; LCSC: C15850; Manufacturer: Samsung Electro-Mechanics; Partnumber: CL21A106KAYNNNE; PARAM_capacitance: {"type": "Quantity_Interval_Disjoint", "data": {"intervals": {"type": "Numeric_Interval_Disjoint", "data": {"intervals": [{"type": "Numeric_Interval", "data": {"min": 8.999999985e-06, "max": 1.1000000015e-05}}]}}, "unit": "farad"}}; PARAM_max_voltage: {"type": "Quantity_Set_Discrete", "data": {"intervals": {"type": "Numeric_Interval_Disjoint", "data": {"intervals": [{"type": "Numeric_Interval", "data": {"min": 25.0, "max": 25.0}}]}}, "unit": "volt"}}; PARAM_temperature_coefficient: {"type": "EnumSet", "data": {"elements": [{"name": "X5R"}], "enum": {"name": "TemperatureCoefficient", "values": {"Y5V": 1, "Z5U": 2, "X7S": 3, "X5R": 4, "X6R": 5, "X7R": 6, "X8R": 7, "C0G": 8}}}}; atopile_address: clusters[39].decoupling_capacitors[1]; atopile_subaddresses: [elec/layout/cluster2x2/cluster2x2.kicad_pcb:decoupling_capacitors[1]]
C354 = -: Datasheet: https://www.lcsc.com/datasheet/lcsc_datasheet_2304140030_Samsung-Electro-Mechanics-CL21A106KAYNNNE_C15850.pdf; LCSC: C15850; Manufacturer: Samsung Electro-Mechanics; Partnumber: CL21A106KAYNNNE; PARAM_capacitance: {"type": "Quantity_Interval_Disjoint", "data": {"intervals": {"type": "Numeric_Interval_Disjoint", "data": {"intervals": [{"type": "Numeric_Interval", "data": {"min": 8.999999985e-06, "max": 1.1000000015e-05}}]}}, "unit": "farad"}}; PARAM_max_voltage: {"type": "Quantity_Set_Discrete", "data": {"intervals": {"type": "Numeric_Interval_Disjoint", "data": {"intervals": [{"type": "Numeric_Interval", "data": {"min": 25.0, "max": 25.0}}]}}, "unit": "volt"}}; PARAM_temperature_coefficient: {"type": "EnumSet", "data": {"elements": [{"name": "X5R"}], "enum": {"name": "TemperatureCoefficient", "values": {"Y5V": 1, "Z5U": 2, "X7S": 3, "X5R": 4, "X6R": 5, "X7R": 6, "X8R": 7, "C0G": 8}}}}; atopile_address: clusters[39].decoupling_capacitors[2]; atopile_subaddresses: [elec/layout/cluster2x2/cluster2x2.kicad_pcb:decoupling_capacitors[2]]
C355 = -: Datasheet: https://www.lcsc.com/datasheet/lcsc_datasheet_2304140030_Samsung-Electro-Mechanics-CL21A106KAYNNNE_C15850.pdf; LCSC: C15850; Manufacturer: Samsung Electro-Mechanics; Partnumber: CL21A106KAYNNNE; PARAM_capacitance: {"type": "Quantity_Interval_Disjoint", "data": {"intervals": {"type": "Numeric_Interval_Disjoint", "data": {"intervals": [{"type": "Numeric_Interval", "data": {"min": 8.999999985e-06, "max": 1.1000000015e-05}}]}}, "unit": "farad"}}; PARAM_max_voltage: {"type": "Quantity_Set_Discrete", "data": {"intervals": {"type": "Numeric_Interval_Disjoint", "data": {"intervals": [{"type": "Numeric_Interval", "data": {"min": 25.0, "max": 25.0}}]}}, "unit": "volt"}}; PARAM_temperature_coefficient: {"type": "EnumSet", "data": {"elements": [{"name": "X5R"}], "enum": {"name": "TemperatureCoefficient", "values": {"Y5V": 1, "Z5U": 2, "X7S": 3, "X5R": 4, "X6R": 5, "X7R": 6, "X8R": 7, "C0G": 8}}}}; atopile_address: clusters[39].decoupling_capacitors[3]; atopile_subaddresses: [elec/layout/cluster2x2/cluster2x2.kicad_pcb:decoupling_capacitors[3]]
C356 = -: Datasheet: https://www.lcsc.com/datasheet/lcsc_datasheet_2304140030_Samsung-Electro-Mechanics-CL21A106KAYNNNE_C15850.pdf; LCSC: C15850; Manufacturer: Samsung Electro-Mechanics; Partnumber: CL21A106KAYNNNE; PARAM_capacitance: {"type": "Quantity_Interval_Disjoint", "data": {"intervals": {"type": "Numeric_Interval_Disjoint", "data": {"intervals": [{"type": "Numeric_Interval", "data": {"min": 8.999999985e-06, "max": 1.1000000015e-05}}]}}, "unit": "farad"}}; PARAM_max_voltage: {"type": "Quantity_Set_Discrete", "data": {"intervals": {"type": "Numeric_Interval_Disjoint", "data": {"intervals": [{"type": "Numeric_Interval", "data": {"min": 25.0, "max": 25.0}}]}}, "unit": "volt"}}; PARAM_temperature_coefficient: {"type": "EnumSet", "data": {"elements": [{"name": "X5R"}], "enum": {"name": "TemperatureCoefficient", "values": {"Y5V": 1, "Z5U": 2, "X7S": 3, "X5R": 4, "X6R": 5, "X7R": 6, "X8R": 7, "C0G": 8}}}}; atopile_address: clusters[39].decoupling_capacitors[4]; atopile_subaddresses: [elec/layout/cluster2x2/cluster2x2.kicad_pcb:decoupling_capacitors[4]]
C357 = -: Datasheet: https://www.lcsc.com/datasheet/lcsc_datasheet_2304140030_Samsung-Electro-Mechanics-CL21A106KAYNNNE_C15850.pdf; LCSC: C15850; Manufacturer: Samsung Electro-Mechanics; Partnumber: CL21A106KAYNNNE; PARAM_capacitance: {"type": "Quantity_Interval_Disjoint", "data": {"intervals": {"type": "Numeric_Interval_Disjoint", "data": {"intervals": [{"type": "Numeric_Interval", "data": {"min": 8.999999985e-06, "max": 1.1000000015e-05}}]}}, "unit": "farad"}}; PARAM_max_voltage: {"type": "Quantity_Set_Discrete", "data": {"intervals": {"type": "Numeric_Interval_Disjoint", "data": {"intervals": [{"type": "Numeric_Interval", "data": {"min": 25.0, "max": 25.0}}]}}, "unit": "volt"}}; PARAM_temperature_coefficient: {"type": "EnumSet", "data": {"elements": [{"name": "X5R"}], "enum": {"name": "TemperatureCoefficient", "values": {"Y5V": 1, "Z5U": 2, "X7S": 3, "X5R": 4, "X6R": 5, "X7R": 6, "X8R": 7, "C0G": 8}}}}; atopile_address: clusters[39].decoupling_capacitors[5]; atopile_subaddresses: [elec/layout/cluster2x2/cluster2x2.kicad_pcb:decoupling_capacitors[5]]
C358 = -: Datasheet: https://www.lcsc.com/datasheet/lcsc_datasheet_2304140030_Samsung-Electro-Mechanics-CL21A106KAYNNNE_C15850.pdf; LCSC: C15850; Manufacturer: Samsung Electro-Mechanics; Partnumber: CL21A106KAYNNNE; PARAM_capacitance: {"type": "Quantity_Interval_Disjoint", "data": {"intervals": {"type": "Numeric_Interval_Disjoint", "data": {"intervals": [{"type": "Numeric_Interval", "data": {"min": 8.999999985e-06, "max": 1.1000000015e-05}}]}}, "unit": "farad"}}; PARAM_max_voltage: {"type": "Quantity_Set_Discrete", "data": {"intervals": {"type": "Numeric_Interval_Disjoint", "data": {"intervals": [{"type": "Numeric_Interval", "data": {"min": 25.0, "max": 25.0}}]}}, "unit": "volt"}}; PARAM_temperature_coefficient: {"type": "EnumSet", "data": {"elements": [{"name": "X5R"}], "enum": {"name": "TemperatureCoefficient", "values": {"Y5V": 1, "Z5U": 2, "X7S": 3, "X5R": 4, "X6R": 5, "X7R": 6, "X8R": 7, "C0G": 8}}}}; atopile_address: clusters[39].decoupling_capacitors[6]; atopile_subaddresses: [elec/layout/cluster2x2/cluster2x2.kicad_pcb:decoupling_capacitors[6]]
C359 = -: Datasheet: https://www.lcsc.com/datasheet/lcsc_datasheet_2304140030_Samsung-Electro-Mechanics-CL21A106KAYNNNE_C15850.pdf; LCSC: C15850; Manufacturer: Samsung Electro-Mechanics; Partnumber: CL21A106KAYNNNE; PARAM_capacitance: {"type": "Quantity_Interval_Disjoint", "data": {"intervals": {"type": "Numeric_Interval_Disjoint", "data": {"intervals": [{"type": "Numeric_Interval", "data": {"min": 8.999999985e-06, "max": 1.1000000015e-05}}]}}, "unit": "farad"}}; PARAM_max_voltage: {"type": "Quantity_Set_Discrete", "data": {"intervals": {"type": "Numeric_Interval_Disjoint", "data": {"intervals": [{"type": "Numeric_Interval", "data": {"min": 25.0, "max": 25.0}}]}}, "unit": "volt"}}; PARAM_temperature_coefficient: {"type": "EnumSet", "data": {"elements": [{"name": "X5R"}], "enum": {"name": "TemperatureCoefficient", "values": {"Y5V": 1, "Z5U": 2, "X7S": 3, "X5R": 4, "X6R": 5, "X7R": 6, "X8R": 7, "C0G": 8}}}}; atopile_address: clusters[39].decoupling_capacitors[7]; atopile_subaddresses: [elec/layout/cluster2x2/cluster2x2.kicad_pcb:decoupling_capacitors[7]]
C360 = -: Datasheet: https://www.lcsc.com/datasheet/lcsc_datasheet_2304140030_Samsung-Electro-Mechanics-CL05B104KO5NNNC_C1525.pdf; LCSC: C1525; Manufacturer: Samsung Electro-Mechanics; Partnumber: CL05B104KO5NNNC; PARAM_capacitance: {"type": "Quantity_Interval_Disjoint", "data": {"intervals": {"type": "Numeric_Interval_Disjoint", "data": {"intervals": [{"type": "Numeric_Interval", "data": {"min": 9e-08, "max": 1.1e-07}}]}}, "unit": "farad"}}; PARAM_max_voltage: {"type": "Quantity_Set_Discrete", "data": {"intervals": {"type": "Numeric_Interval_Disjoint", "data": {"intervals": [{"type": "Numeric_Interval", "data": {"min": 16.0, "max": 16.0}}]}}, "unit": "volt"}}; PARAM_temperature_coefficient: {"type": "EnumSet", "data": {"elements": [{"name": "X7R"}], "enum": {"name": "TemperatureCoefficient", "values": {"Y5V": 1, "Z5U": 2, "X7S": 3, "X5R": 4, "X6R": 5, "X7R": 6, "X8R": 7, "C0G": 8}}}}; atopile_address: clusters[39].driver.bypass_capacitor; atopile_subaddresses: [elec/layout/cluster2x2/cluster2x2.kicad_pcb:driver.bypass_capacitor, elec/src/macroblock-mbi5043/layouts/default/default.kicad_pcb:bypass_capacitor]
C361 = -: Datasheet: https://www.lcsc.com/datasheet/lcsc_datasheet_2304140030_Samsung-Electro-Mechanics-CL21A106KAYNNNE_C15850.pdf; LCSC: C15850; Manufacturer: Samsung Electro-Mechanics; Partnumber: CL21A106KAYNNNE; PARAM_capacitance: {"type": "Quantity_Interval_Disjoint", "data": {"intervals": {"type": "Numeric_Interval_Disjoint", "data": {"intervals": [{"type": "Numeric_Interval", "data": {"min": 8.999999985e-06, "max": 1.1000000015e-05}}]}}, "unit": "farad"}}; PARAM_max_voltage: {"type": "Quantity_Set_Discrete", "data": {"intervals": {"type": "Numeric_Interval_Disjoint", "data": {"intervals": [{"type": "Numeric_Interval", "data": {"min": 25.0, "max": 25.0}}]}}, "unit": "volt"}}; PARAM_temperature_coefficient: {"type": "EnumSet", "data": {"elements": [{"name": "X5R"}], "enum": {"name": "TemperatureCoefficient", "values": {"Y5V": 1, "Z5U": 2, "X7S": 3, "X5R": 4, "X6R": 5, "X7R": 6, "X8R": 7, "C0G": 8}}}}; atopile_address: clusters[40].decoupling_capacitors[0]; atopile_subaddresses: [elec/layout/cluster2x2/cluster2x2.kicad_pcb:decoupling_capacitors[0]]
C362 = -: Datasheet: https://www.lcsc.com/datasheet/lcsc_datasheet_2304140030_Samsung-Electro-Mechanics-CL21A106KAYNNNE_C15850.pdf; LCSC: C15850; Manufacturer: Samsung Electro-Mechanics; Partnumber: CL21A106KAYNNNE; PARAM_capacitance: {"type": "Quantity_Interval_Disjoint", "data": {"intervals": {"type": "Numeric_Interval_Disjoint", "data": {"intervals": [{"type": "Numeric_Interval", "data": {"min": 8.999999985e-06, "max": 1.1000000015e-05}}]}}, "unit": "farad"}}; PARAM_max_voltage: {"type": "Quantity_Set_Discrete", "data": {"intervals": {"type": "Numeric_Interval_Disjoint", "data": {"intervals": [{"type": "Numeric_Interval", "data": {"min": 25.0, "max": 25.0}}]}}, "unit": "volt"}}; PARAM_temperature_coefficient: {"type": "EnumSet", "data": {"elements": [{"name": "X5R"}], "enum": {"name": "TemperatureCoefficient", "values": {"Y5V": 1, "Z5U": 2, "X7S": 3, "X5R": 4, "X6R": 5, "X7R": 6, "X8R": 7, "C0G": 8}}}}; atopile_address: clusters[40].decoupling_capacitors[1]; atopile_subaddresses: [elec/layout/cluster2x2/cluster2x2.kicad_pcb:decoupling_capacitors[1]]
